# Altium PCB rt10.PcbDoc (part 3 of 3) (continued)
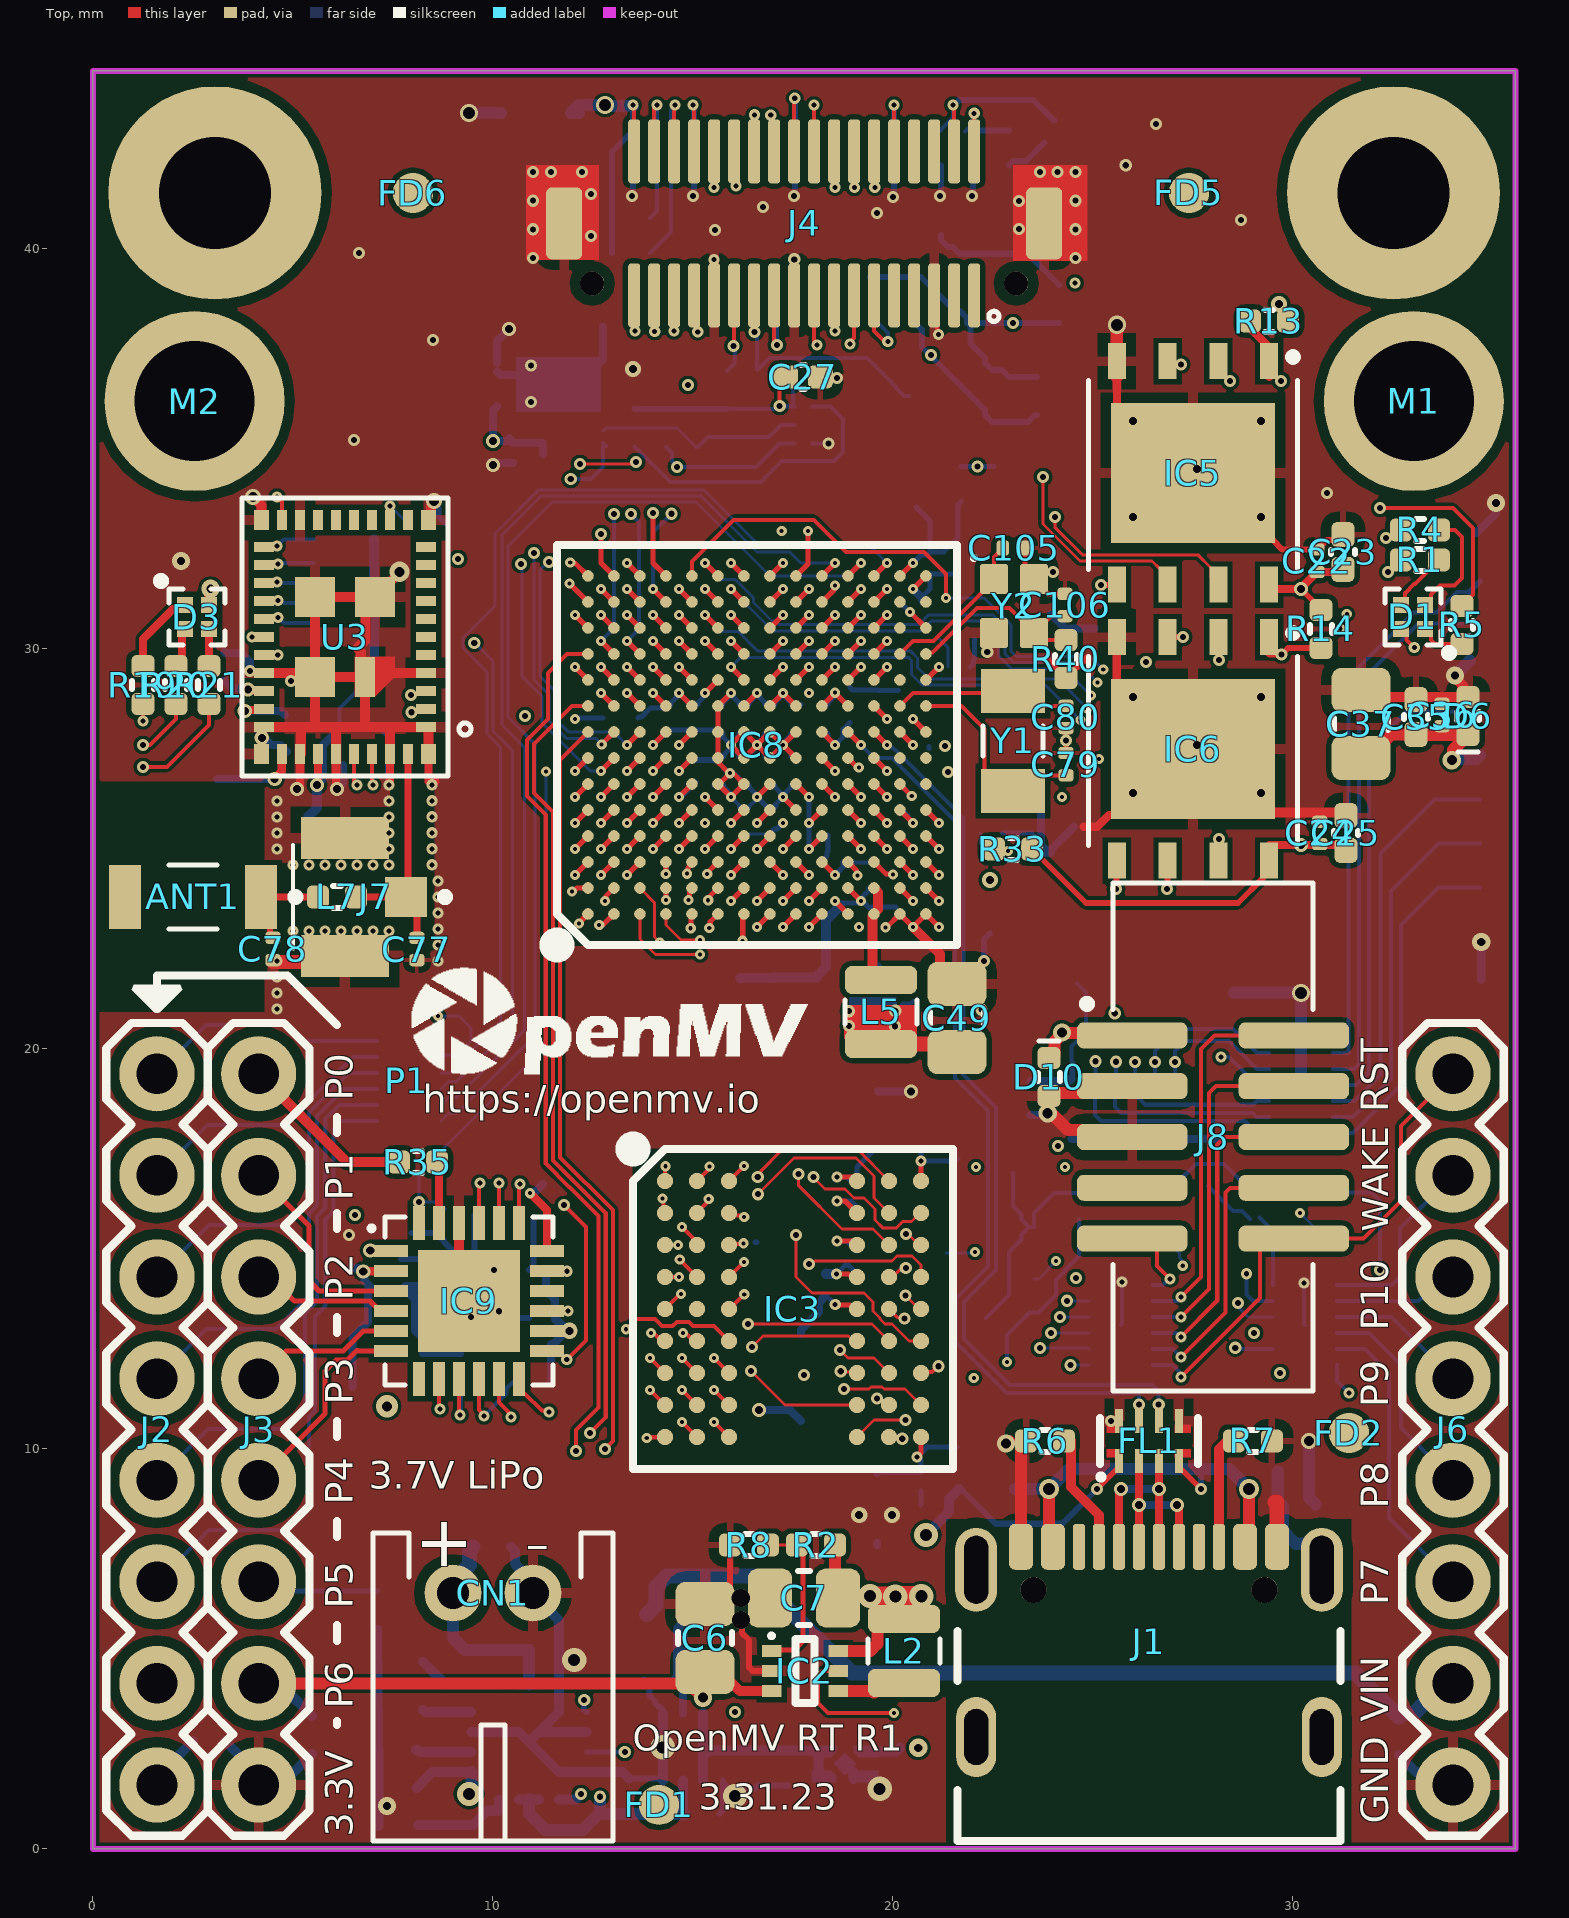
[diagram p0: Top view]
## Nets (pads, with @x,y where several pads share a name; then routed paths per layer and width w, separated by ;. In a path a pad name is that pad's centre, name@x,y a point inside that pad or via, vN(x,y) a via of type N, cw(c..) or ccw(c..) an arc to the next point about the centre after c; other vN are vias at no path point) (continued)
SW: IC2.4 L2.1 | length 1.6
  Top w0.305: IC2.4@18.634,3.95 L2.1@19.45,3.95
  Top w0.381: L2.1@19.525,3.95 19.725,4.15 L2.1@20.275,4.15
TMR: R11.1 U2.14 | length 1.4
  Bottom w0.254: R11.1@8.075,2.475 8.21,2.425 U2.14@9.465,2.425
TS: R9.1 U2.1 | length 2.1
  Bottom w0.254: R9.1@8.25,4.675 8.815,4.11 U2.1@10.15,4.11
USB_D_N: FL1.6 IC8.M8 | length 22.6
  Top w0.127: IC8.M8@19.525,27.925 v1(19.85,27.6)
  Bottom w0.102: v1(19.85,27.6) 19.891,27.6 19.95,27.542 19.983,27.542 20.047,27.478 20.059,27.478 21.756,25.781 21.756,19.358 22.578,18.536 22.578,14.478 21.775,13.675 21.775,12.751 22.923,11.603 26.493,11.603 26.642,11.454 v2(26.642,11.114)
USB_D_P: FL1.7 IC8.L8 | length 22.7
  Top w0.127: IC8.L8@18.875,27.925 v1(19.2,27.6)
  Bottom w0.102: v1(19.2,27.6) 19.525,27.275 19.975,27.275 21.553,25.697 21.553,19.274 22.375,18.452 22.375,14.562 21.572,13.759 21.572,12.667 22.839,11.4 26.091,11.4 26.151,11.341 26.151,11.109 v2(26.15,11.108)
USB_VBUS: FL1.4 J1.A4_B9 J1.B4_A9 L1.1 | length 10.7
  Top w0.152: FL1.4@27.15,9.7 27.15,9.55 v2(27.7,9)
  Top w0.305: v12(23.9,9) 23.9,7.655 J1.A4_B9@24,7.555 ; J1.B4_A9@28.8,7.555 28.9,7.655 v12(28.9,9)
  Bottom w0.152: v2(27.7,9) 27.7,9.5
  Bottom w0.305: L1.1@23.05,9 v12(23.9,9) 24.4,9.5 27.7,9.5 28.4,9.5 v12(28.9,9)
V_BATT: C3.2 C10.2 IC1.3 U2.5 U2.10 U2.11 | length 9.3
  L4 w0.102: v2(12.279,3.725) 12.677,3.327 v2(12.677,1.307)
  Bottom w0.152: v2(12.279,3.725) 12.279,3.479 U2.5@12.335,3.425 U2.5@12.335,3.425
  Bottom w0.254: U2.11@10.65,1.24 10.9,1.24 U2.10@11.15,1.24 ; IC1.3@14.75,1.712 14.75,0.915 C3.2@14.79,0.875
  Bottom w0.305: 10.9,1.24 10.9,0.89 11.315,0.475 12.246,0.475 12.646,0.875 ; v2(12.677,1.307) 12.677,0.906 12.646,0.875 ; C3.2@14.79,0.875 12.646,0.875
VBUS: C9.2 C88.1 C95.2 FL1.1 IC8.N6 L1.2 U2.13 | length 44.8
  Top w0.127: IC8.N6@20.175,26.625 20.175,26.616 v1(20.47,26.321)
  Top w0.152: v2(25.1,9) 25.6,9.5 25.65,9.5 FL1.1@25.65,9.7
  L3 w0.203: v1(20.47,26.321) 21.104,26.321 22.425,25 v7(22.425,24.225)
  L3 w0.305: v5(20.825,7.85) 21.575,8.6 21.575,12.25 22.75,13.425 22.75,19.9 22.775,19.925 22.775,22.725 22.425,23.075 v7(22.425,24.225)
  L6 w0.381: v5(9.4,1.375) 9.4,3.225 14.025,7.85 v5(20.825,7.85)
  Bottom w0.152: L1.2@21.75,8.95 22.569,8.131 24.231,8.131 v2(25.1,9)
  Bottom w0.254: C9.2@8.085,1.525 8.097,1.525 8.258,1.686 8.258,1.698 8.485,1.925 U2.13@9.465,1.925 ; v5@20.824,7.857 21.401,8.434 21.401,8.751 L1.2@21.65,9
  Bottom w0.305: v5(9.4,1.375) 9.465,1.44 U2.13@9.465,1.925
VCC: C7.1 C11.2 C12.1 C13.1 C14.1 C15.1 C16.1 C17.2 C18.2 C19.1 C20.1 C21.2 C22.1 C23.2 C24.1 C25.2 C26.1 C27.2 C28.1 C29.1 C30.1 C31.2 C32.1 C33.2 C35.2 C36.1 C37.1 C39.2 C40.2 C41.2 C42.2 C43.1 C44.2 C50.1 C53.1 C54.1 C55.1 C56.1 C57.2 C58.2 C64.1 C66.2 C67.1 C68.2 C75.1 C76.1 C86.2 C89.1 C90.2 C92.2 C93.2 C96.1 C99.2 C108.2 C109.1 D3.4 D4.1 D6.1 D10.1 IC2.6 IC3.A7 IC3.A9 IC3.B3 IC3.C7 IC3.D3 IC3.E7 IC3.J9 IC4.8 IC5.8 IC6.8 IC7.6 IC8.E6 IC8.E9 IC8.F5 IC8.F10 IC8.J6 IC8.J10 IC8.K4 IC8.K5 IC8.L1 IC8.L2 IC8.P12 IC9.14 J2.1 J4.2 J4.10 J4.20 J4.30 J4.36 J5.P$4 J8.1 L2.2 L4.2 L6.2 L8.2 Q4.1 Q5.1 R2.2 R13.1 R14.1 R15.2 R16.2 R17.2 R18.1 R24.2 R25.2 R26.2 R28.2 R29.2 R30.2 R31.2 R32.2 R33.1 R34.2 R36.2 R39.2 RN1.1 RN1.2 RN1.3 RN1.4 RN1.5 RN1.6 RN1.7 RN1.8 RN2.1 RN2.2 RN2.3 RN2.4 RN2.5 RN2.6 RN2.7 RN2.8 U3.30 U3.36 | length 104.4
  Top w0.102: v3(13.5,43.6) 13.53,43.57 J4.36@13.53,42.44 ; v3(15,43.6) 15.03,43.57 J4.30@15.03,42.44 ; IC3.D3@15.9,14.3 v1(16.275,14.675) ; IC3.B3@15.9,15.9 15.958,15.842 16.196,15.842 16.239,15.799 v1(16.28,15.799) ; v2(17.167,36.076) 17.167,36.652 C27.2@17.315,36.8 ; J4.20@17.53,42.44 17.53,43.753 v3(17.544,43.768) ; v3(20.025,43.6) 20.03,43.595 J4.10@20.03,42.44 ; J4.2@22.03,42.44 v3(22.029,43.392)
  Top w0.127: v1(14.65,26.3) IC8.E6@14.975,26.625 ; v1(14.65,28.9) IC8.E9@14.975,28.575 ; v1(15.3,26.3) IC8.F5@15.625,25.975 ; v1(15.3,28.9) IC8.F10@15.625,29.225 ; IC8.J6@17.575,26.625 v1(17.9,26.3) ; IC8.J10@17.575,29.225 v1(17.9,29.55) ; v1(17.9,25) IC8.K4@18.225,25.325 ; v1(17.9,25.65) IC8.K5@18.225,25.975 ; v1(18.55,23.7) IC8.L1@18.875,23.375 ; v3(18.555,13.611) 18.566,13.6 18.924,13.6 19.023,13.5 IC3.E7@19.1,13.5 ; v3(18.6,15.2) 19,15.2 IC3.C7@19.1,15.1 ; v3(18.6,16.8) 19,16.8 IC3.A7@19.1,16.7 ; IC8.L2@18.875,24.025 v1(19.2,23.7) ; v1(20.421,30.929) IC8.P12@20.825,30.525 ; v3(20.6,9.8) 20.7,9.9 IC3.J9@20.7,10.3 ; IC3.A9@20.7,16.7 v3(20.7,17.2) ; v4(30.2,31.5) 30.7,31 R14.1@30.7,30.975
  Top w0.152: IC2.6@18.584,4.9 IC2.6@18.634,4.95 ; R33.1@23.475,25 24.825,23.65 28.625,23.65 29.256,24.281 29.256,24.557 IC6.8@29.405,24.706
  Top w0.203: v4(3.872,28.988) 3.891,28.969 4.256,28.969 U3.30@4.275,28.95 ; v4(5.6,26.6) 5.625,26.625 U3.36@5.625,27.375 ; IC9.14@11.35,12.95 11.352,12.952 11.911,12.952 v7(11.913,12.954) ; IC6.8@29.405,25.1 v4(30.2,25.1) C25.2@31.125,25.1 ; IC5.8@29.405,31.5 v4@30.175,31.5 ; R13.1@29.875,38.2 R13.1@30.05,38.025 ; v4(30.2,31.5) v4@30.175,31.5 ; C23.2@31.25,31.99 31.185,31.925 C22.1@30.6,31.925 v4@30.175,31.5
  Top w0.254: D3.4@2.9,31.1 2.92,31.12 2.92,31.486 v6(2.94,31.506)
  Top w0.305: R2.2@18.55,7.6 18.55,6.35 C7.1@18.625,6.275 ; IC2.6@18.634,4.95 19.431,4.95 19.609,5.129 19.609,5.552 19.807,5.75 L2.2@20.275,5.75 ; D10.1@23.9,19.7 24.035,19.835 24.035,20.19 24.228,20.383 v8(24.228,20.415) 24.242,20.4 25.92,20.4 J8.1@25.98,20.34 ; C37.1@31.7,27.275 31.864,27.275 32.454,27.865 C35.2@33.075,27.865 33.09,27.85 D6.1@34.36,27.85 ; v8@33.943,27.191 v8(33.973,27.221) 34.002,27.25 34.002,27.477 34.237,27.712 34.237,27.727 D6.1@34.36,27.85 ; D6.1@34.375,27.85 D6.1@34.36,27.85
  Top w0.508: v5(19.425,6.325) 19.437,6.313 v5(20.059,6.313) 20.065,6.32 v5(20.71,6.32)
  Bottom w0.102: C93.2@6.165,28 6.165,28.515 6.682,29.032 6.994,29.032 RN2.8@7.025,29.063 ; R29.2@15.85,36 R28.2@16.625,36 17.036,36 17.112,36.076 v2(17.167,36.076) 17.175,36.068 IC7.6@17.527,36.068 ; C26.1@17.496,36.8 17.496,36.1 IC7.6@17.527,36.068 ; IC7.6@17.535,36.06 IC7.6@17.527,36.068 ; C33.2@21.8,42.935 22.015,43.15 22.015,43.377 v3(22.029,43.392)
  Bottom w0.127: C67.1@13.625,28.275 13.65,28.3 13.715,28.3 13.944,28.529 C86.2@14.325,28.529 14.356,28.529 14.444,28.617 14.444,28.649 14.626,28.83 14.626,28.876 v1(14.65,28.9) ; v1(14.65,26.3) 14.674,26.324 14.729,26.324 14.956,26.551 14.956,26.583 15.044,26.671 C53.1@15.075,26.671 ; C68.2@15,28.529 15.031,28.529 15.119,28.617 15.119,28.649 15.276,28.805 15.276,28.876 v1(15.3,28.9) ; v1(17.9,25) v1(17.9,25.65) v1(17.9,26.3) ; C11.2@18.411,13.754 v3(18.555,13.611) ; v1@18.591,23.648 19.287,23.648 19.401,23.534 C55.1@19.446,23.534 19.467,23.554 C109.1@20.075,23.554 ; v3(18.6,15.2) 18.85,15.2 19.085,14.965 C19.1@19.1,14.95 ; v3(18.6,16.8) 18.85,16.8 19.012,16.638 19.085,16.565 C13.1@19.1,16.55 ; C13.1@19.1,16.579 19.1,17.048 19.577,17.525 C18.2@19.6,17.525 ; v1(19.2,23.7) 19.224,23.724 19.224,23.795 19.406,23.977 19.406,24.008 19.494,24.096 R32.2@19.525,24.096 ; C50.1@20.221,31.175 20.221,31.133 20.421,30.932 v1(20.421,30.929) ; C31.2@20.7,9.45 C31.2@20.7,9.479 20.7,9.7 v3(20.6,9.8) 20.85,10.05 C30.1@21.465,10.05 ; C15.1@20.7,17.55 C15.1@20.7,17.521 v3(20.7,17.2) C17.2@21.525,17.2 ; R18.1@21.5,10.975 21.5,10.085 C30.1@21.465,10.05 ; C17.2@21.55,17.2 C17.2@21.55,17.45 ; C17.2@21.55,17.25 C17.2@21.625,17.25 ; C30.1@21.6,10.05 C30.1@21.465,10.05 ; L6.2@21.7,34.56 v2(22.113,34.56) C108.2@22.525,34.56
  Bottom w0.152: C96.1@10.9,14.475 11.016,14.591 R36.2@11.016,15.794 ; R30.2@12.975,39.9 R31.2@12.975,40.775 12.975,42.435 C44.2@13.5,42.96 13.5,43.571 v3(13.5,43.6) ; R15.2@13.54,36.015 13.555,36 R17.2@14.325,36 R16.2@15.075,36 R29.2@15.85,36 ; v3(15,43.6) 15,43.566 15.025,43.541 C42.2@15.025,42.96 ; v3(17.544,43.768) 17.55,43.762 C40.2@17.55,42.96 ; R24.2@19.425,39.3 20.7,39.3 21.551,38.449 21.676,38.449 21.85,38.275 Q4.1@21.85,38.15 ; C39.2@20.025,42.935 v3(20.025,43.6) ; C33.2@22,42.96 L4.2@22.9,42.96 ; R25.2@23.6,36.8 22.9,36.8 22.725,36.975 Q5.1@22.6,36.975 22.475,36.975 22.301,37.149 22.301,37.274 21.939,37.636 21.939,38.06 Q4.1@21.85,38.15 ; R26.2@24.15,38.15 v2(23,38.15) Q4.1@21.85,38.15
  Bottom w0.203: C92.2@3.275,29.215 3.473,29.017 3.843,29.017 v4(3.872,28.988) ; v4(5.6,26.6) 5.75,26.75 5.75,27.603 C93.2@6.147,28 ; C21.2@10.1,36.065 10,35.965 v4(10,35.2) C20.1@10.441,35.2 ; C20.1@10.411,35.268 10.411,35.23 C20.1@10.441,35.2 ; C20.1@10.5,35.18 C20.1@10.471,35.18 ; IC4.8@11.25,34.875 IC4.8@11.25,35.15 10.5,35.15 C20.1@10.471,35.18 ; C96.1@11.325,14.35 11.325,13.95 11.417,13.858 11.435,13.858 11.554,13.739 11.554,13.237 11.605,13.186 11.643,13.186 11.875,12.954 v7(11.913,12.954) 11.874,12.915 11.802,12.915 11.512,12.625 11.46,12.625 11.45,12.615 R39.2@11.45,11.675 ; C14.1@17.7,12.88 17.7,12.975 18.153,13.429 18.153,13.651 18.236,13.733 18.236,13.77 18.287,13.821 C11.2@18.317,13.821 ; C29.1@19.6,9.4 19.65,9.45 C31.2@20.7,9.45 ; RN1.8@24.463,17.75 RN1.7@25.05,17.75 RN1.6@25.55,17.75 RN1.5@26.05,17.75 RN1.4@26.55,17.75 RN1.3@27.05,17.75 RN1.2@27.55,17.75 RN1.1@28.137,17.75 ; C20.1@10.441,35.2 10.462,35.18 C20.1@10.471,35.18 ; C20.1@10.441,35.2 10.45,35.2 C20.1@10.471,35.18
  Bottom w0.254: J2.1@1.6,1.6 1.6,1.8 D4.1@2.5,2.7 ; C64.1@5.39,25.825 5.402,25.825 5.563,25.986 5.563,25.998 5.6,26.035 v4(5.6,26.6) ; RN2.8@7.025,29.063 RN2.7@7.025,29.65 RN2.6@7.025,30.15 RN2.5@7.025,30.65 RN2.4@7.025,31.15 RN2.3@7.025,31.65 RN2.2@7.025,32.15 RN2.1@7.025,32.737 ; C58.2@16.175,21.775 17,21.775 16.99,21.785 C41.2@17.175,21.785 C57.2@18.1,21.785 18.1,21.823 18.325,22.048 18.325,23.215 18.67,23.561
  Bottom w0.305: C32.1@11.95,43.4 C32.1@12.15,43.6 ; C32.1@12.15,43.4 12,43.4 12.2,43.6 v9@12.784,43.6 ; v9(12.8,43.6) v9@12.784,43.6 ; v3@13.5,43.571 12.814,43.571 v9@12.784,43.6 ; v8(33.973,27.221) 34.002,27.25 34.583,27.25 J5.P$4@34.675,27.342
  other v2: 6.55,15.85 24.125,17.575
  other v7: 29.65,38.625
  other v13: 7.349,11.065
VCC_SOC: C34.1 C38.1 C45.1 C46.2 C47.1 C48.1 C49.2 C87.2 C94.2 C97.2 C98.2 C100.2 C103.2 IC8.F6 IC8.F7 IC8.F8 IC8.F9 IC8.G6 IC8.G9 IC8.H6 IC8.H9 IC8.J5 IC8.J9 L5.1 | length 17.4
  Top w0.127: v1@15.86,26.938 15.656,27.142 15.656,27.244 IC8.F7@15.625,27.275 IC8.F8@15.625,27.925 IC8.F9@15.625,28.575 v1(15.95,28.9) ; IC8.G9@16.275,28.575 v1(16.6,28.9) ; v1(16.6,26.3) IC8.H6@16.925,26.625 ; IC8.H9@16.925,28.575 v1(17.25,28.9) IC8.J9@17.575,28.575 ; v1(17.25,26.3) IC8.J5@17.575,25.975 ; IC8.F6@15.625,26.625 15.95,26.3 IC8.G6@16.275,26.625 16.028,26.871 15.949,26.871 v1(15.925,26.895) 15.654,26.625 IC8.F6@15.625,26.625
  Top w0.254: C49.2@21.4,20.125 C49.2@21.6,19.925
  Top w0.381: L5.1@19.7,20.125 C49.2@21.4,20.125
  Bottom w0.076: C48.1@16.275,25.929 16.292,25.929 16.399,26.036 16.427,26.064 16.427,26.082 ; v1@16.6,26.255 v1(16.6,26.3)
  Bottom w0.102: v1(15.95,26.3) 16.151,26.099 16.151,26.029 16.251,25.929 C48.1@16.275,25.929 ; C48.1@16.292,25.929 16.299,25.929 16.399,26.029 16.399,26.036 16.399,26.053 16.427,26.082 16.571,26.225 16.571,26.271 v1(16.6,26.3) ; v2(20.057,20.954) 20.246,21.142 20.447,21.142 C47.1@20.5,21.196
  Bottom w0.127: C97.2@15.531,26.583 15.619,26.671 C97.2@15.65,26.671 C97.2@15.681,26.671 ; C98.2@15.625,28.529 15.656,28.529 15.744,28.617 15.744,28.649 15.925,28.83 15.925,28.876 v1(15.95,28.9) 15.974,28.876 15.974,28.83 16.156,28.649 16.156,28.617 16.244,28.529 C103.2@16.275,28.529 16.306,28.529 16.394,28.617 16.394,28.649 16.576,28.83 16.576,28.876 v1(16.6,28.9) 16.624,28.876 16.624,28.83 16.806,28.649 16.806,28.617 16.894,28.529 C38.1@16.925,28.529 16.956,28.529 17.044,28.617 17.044,28.649 17.226,28.83 17.226,28.876 v1(17.25,28.9) 17.274,28.876 17.274,28.83 17.456,28.649 17.456,28.617 17.544,28.529 C45.1@17.575,28.529 17.606,28.529 C45.1@17.694,28.617 ; v1(15.95,26.3) 15.926,26.324 15.926,26.395 15.769,26.551 15.769,26.583 C97.2@15.681,26.671 ; C87.2@16.925,26.671 16.956,26.671 17.044,26.583 17.044,26.551 17.226,26.37 17.226,26.324 v1(17.25,26.3) ; C100.2@17.575,26.671 17.544,26.671 17.456,26.583 17.456,26.551 17.274,26.37 17.274,26.324 v1(17.25,26.3) ; C97.2@15.681,26.671 15.695,26.671 15.784,26.759 15.787,26.759 15.923,26.895 v1(15.925,26.895) 15.949,26.871 16.052,26.871 16.148,26.775 16.148,26.766 16.244,26.671 C94.2@16.275,26.671 16.306,26.671 16.394,26.583 16.394,26.551 16.576,26.37 16.576,26.324 v1(16.6,26.3) 16.823,26.077 16.823,26.075 16.919,25.979 C34.1@16.95,25.979 16.981,25.979 17.069,26.067 17.069,26.119 v1(17.25,26.3)
  other v2: 18.897,20.572 20.051,20.569 18.899,20.945
VDD_HIGH_CAP: C101.2 C102.1 IC8.P8 | length 0.5
  Top w0.127: v1(20.5,28.25) IC8.P8@20.825,27.925
VDD_SNVS: C2.2 C69.1 IC8.M9 U1.1 | length 28.9
  Top w0.127: IC8.M9@19.525,28.575 v1(19.85,28.25)
  L4 w0.076: v1(19.85,28.25) 19.525,27.925 19.525,25.625 19.141,25.241 19.1,25.241 18.87,25.012 18.87,21.605 19.275,21.2 19.275,19.075 21.4,16.95 21.4,12.179 21.401,12.178 21.401,8.587 21.257,8.443 21.257,3.154 v6(20.631,2.528)
  Bottom w0.254: U1.1@19.321,2.437 20.077,2.437 C2.2@20.175,2.535
VDD_SNVS_CAP: C70.1 IC8.M10 | length 0.5
  Top w0.127: IC8.M10@19.525,29.225 v1(19.85,29.55)
VDD_USB_CAP: C71.1 C72.2 C73.2 IC8.K8 | length 5.4
  Top w0.127: IC8.K8@18.225,27.925 v1(18.55,27.6)
  L3 w0.127: v1(18.55,27.6) 18.9,27.95 20,27.95 20.175,27.775 20.175,27.3 20.55,26.925 v2(21.375,26.925)
  Bottom w0.127: C71.1@18.25,27.971 18.281,27.971 18.369,27.883 18.369,27.781 v1(18.55,27.6) 18.754,27.804 18.754,27.994 C72.2@18.925,28.165
VDDA: C51.1 C52.2 J4.4 L4.1 | length 5.9
  Top w0.102: v3(21.5,43.6) 21.53,43.57 J4.4@21.53,42.44
  Bottom w0.102: C52.2@21.2,42.96 21.2,42.984 21.5,43.284 v3(21.5,43.6)
  Bottom w0.152: v3(21.5,43.6) 21.528,43.6 21.653,43.725 23.511,43.725 24.022,43.214 C51.1@24.035,43.214 ; L4.1@22.9,42.09 23.009,42.199 23.326,42.199 C51.1@23.787,42.66
VDDA_ADC_3P3: C59.1 C60.2 C61.2 IC8.N14 L6.1 | length 4
  Top w0.127: IC8.N14@20.175,31.825 v1(20.5,32.15)
  Bottom w0.127: v1(20.5,32.15) 20.698,32.348 20.844,32.348 C59.1@20.925,32.429 ; C61.2@20.575,33.55 20.925,33.2 C59.1@20.925,32.429 ; L6.1@21.7,33.69 21.625,33.615 C60.2@21.625,32.785 21.269,32.429 C59.1@20.925,32.429
VIN: C5.2 IC1.6 Q6.S | length 2.2
  Bottom w0.203: C5.2@14.61,4.2 14.75,4.06 IC1.6@14.75,3.388
  Bottom w0.381: C5.2@14.61,4.2 14.691,4.281 Q6.S@14.691,5.487
VIN_LDO: C74.1 C91.2 L9.2 U3.31 | length 1.6
  Top w0.203: v4(3.796,28.451) 3.822,28.476 4.251,28.476 U3.31@4.275,28.5
  Bottom w0.203: v4(3.796,28.451) 3.811,28.465 4.089,28.465 C74.1@4.112,28.488 ; C74.1@4.112,28.45 4.7,28.45 C91.2@4.8,28.35
WAKEUP: IC8.L6 Q2.2 | length 36
  Top w0.127: IC8.L6@18.875,26.625 v1(19.2,26.3)
  L4 w0.076: v1(30.175,15.9) 30.95,16.675 30.95,30.25 31.184,30.483 v1(31.184,30.506)
  L6 w0.076: v1(19.2,26.3) 19.441,26.059 28.543,26.059 28.623,26.138 28.623,29.037 28.512,29.148 27.962,29.148 26.983,30.126 26.983,30.466 27.142,30.625 31.05,30.625 31.17,30.506 v1(31.184,30.506)
  Bottom w0.076: v1(30.175,15.9) 30.763,15.312 30.913,15.312 Q2.2@31.125,15.1
WIFI_CLK: IC8.M13 U3.20 | length 18
  Top w0.102: v3(4.6,33.8) 4.725,33.675 U3.20@4.725,33.225
  Top w0.127: IC8.M13@19.525,31.175 v1(19.85,31.5)
  L6 w0.076: v3(4.6,33.8) 4.857,34.057 7.657,34.057 8.39,33.325 11.749,33.325 12.475,32.599 17.525,32.599 18.225,31.9 18.225,31.425 18.329,31.321 18.912,31.321 19.007,31.225 19.575,31.225 v1(19.85,31.5)
WIFI_CMD: IC8.H13 RN2.16 U3.22 | length 15.3
  Top w0.102: U3.22@4.275,32.55 4.287,32.562 4.587,32.562 v3(4.6,32.575)
  Top w0.127: IC8.H13@16.925,31.175 v1(17.25,31.5)
  L6 w0.076: v3(4.6,32.575) 4.825,32.8 6.025,32.8 7.516,31.309 12.549,31.309 12.6,31.258 16.069,31.258 16.311,31.5 v1(17.25,31.5)
  Bottom w0.102: v3(4.6,32.575) 4.762,32.737 RN2.16@5.525,32.737
WIFI_D0: IC8.L12 RN2.14 U3.24 | length 17.3
  Top w0.102: U3.24@4.275,31.65 4.288,31.662 4.587,31.662 v3(4.6,31.675)
  Top w0.127: IC8.L12@18.875,30.525 v1(19.2,30.85)
  L6 w0.076: v3(4.6,31.675) 4.621,31.675 4.746,31.8 5.925,31.8 7.125,30.6 18.025,30.6 18.225,30.8 18.225,30.975 18.35,31.1 18.725,31.1 18.975,30.85 v1(19.2,30.85)
  Bottom w0.102: v3(4.6,31.675) 4.625,31.65 RN2.14@5.525,31.65
WIFI_D1: IC8.K12 RN2.12 U3.26 | length 16.1
  Top w0.102: U3.26@4.275,30.75 4.292,30.767 4.608,30.767 v3(4.625,30.784)
  Top w0.127: IC8.K12@18.225,30.525 v1(18.55,30.85)
  L6 w0.076: v3(4.625,30.784) 4.647,30.806 6.698,30.806 7.056,30.448 18.148,30.448 v1(18.55,30.85)
  Bottom w0.102: v3@4.591,30.75 v3(4.625,30.784) 4.64,30.784 4.773,30.65 RN2.12@5.525,30.65
WIFI_D2: IC8.J12 RN2.15 U3.23 | length 15.7
  Top w0.102: U3.23@4.275,32.1 4.288,32.113 4.613,32.113 v3(4.625,32.125)
  Top w0.127: IC8.J12@17.575,30.525 v1(17.9,30.85)
  L6 w0.076: v3(4.625,32.125) 4.8,32.3 5.7,32.3 6.894,31.106 17.644,31.106 v1(17.9,30.85)
  Bottom w0.102: v3@4.6,32.15 v3(4.625,32.125) 4.65,32.15 RN2.15@5.525,32.15
WIFI_D3: IC8.K10 RN2.13 U3.25 | length 16.6
  Top w0.127: IC8.K10@18.225,29.225 v1(18.55,29.55)
  L6 w0.076: 4.555,31.073 4.371,30.889 4.371,30.678 4.52,30.53 6.759,30.53 7.495,29.793 18.307,29.793 v1(18.55,29.55)
  Bottom w0.102: v3@4.589,31.177 v3(4.623,31.211) 4.657,31.177 4.744,31.177 4.771,31.15 RN2.13@5.525,31.15
WL_H_WAKE: IC8.E11 U3.27 | length 18.1
  Top w0.102: v3(3.978,30.299) U3.27@4.275,30.3
  Top w0.127: v1(14.65,30.2) IC8.E11@14.975,29.875
  L4 w0.076: v2(10.803,28.325) 10.35,28.325 10.165,28.14 10.165,26.745 10.21,26.7 11.485,26.7 11.565,26.78 11.565,27.755 11.812,28.003 13.603,28.003 14.249,28.649 14.249,29.799 v1(14.65,30.2)
  L6 w0.076: v3(3.978,30.299) 3.978,30.079 4.532,29.525 6.723,29.525 7.125,29.123 10.375,29.123 10.803,28.694 v2(10.803,28.325)
WL_REG_ON: IC8.E10 U3.28 | length 11.2
  Top w0.102: U3.28@4.275,29.85 4.277,29.848 4.616,29.848 v3(4.618,29.846)
  Top w0.127: v1(14.65,29.55) IC8.E10@14.975,29.225
  L6 w0.076: v3(4.618,29.846) 6.754,29.846 7.299,29.301 14.401,29.301 v1(14.65,29.55)
XTALI: C106.1 IC8.P11 R40.1 Y2.3 | length 5
  Top w0.102: IC8.P11@20.825,29.875 20.861,29.911 20.986,29.911 22.1,31.025 22.915,31.025 23.215,30.724 23.525,30.415 Y2.3@23.525,30.4 23.7,30.225 R40.1@24.325,30.225 ; Y2.3@23.732,30.593 23.732,30.621 23.823,30.712 23.85,30.712 23.959,30.821 C106.1@24.3,30.821
XTALO: C105.1 IC8.N11 Y2.1 | length 3.8
  Top w0.102: IC8.N11@20.175,29.875 20.5,30.2 21.011,30.2 22.226,31.415 Y2.1@22.41,31.6 ; Y2.1@22.525,31.75 22.525,32.304 22.622,32.401 22.646,32.401 22.746,32.501 C105.1@22.746,32.525
pads on no net: ANT1.2 FD1.1 FD2.1 FD3.1 FD4.1 FD5.1 FD6.1 FD7.1 FD8.1 IC3.E2 IC4.1 IC4.2 IC4.3 IC4.7 IC7.2 IC8.N7 IC8.N10 IC8.N12 IC8.N13 IC8.P6 IC8.P7 IC8.P13 IC9.7 IC9.16 J1.0 J1.A8 J1.B8 J4.1 J4.3 J4.6 J4.7 J4.8 J4.9 J4.MH1 J4.MH2 J8.7 M1.1 M2.1 RN1.15 RN1.16 RN2.9 RN2.10 RN2.11 U3.5 U3.6 U3.7 U3.8 U3.9 U3.10 U3.11 U3.13 U3.15 U3.16 U3.17 U3.18

## Polygon pours and split planes (outlines as drawn)
no net on Bottom Overlay "Polygon_2_NoNet" (solid, pour order 1): 1.6,20.856 2.345,21.602 0.855,21.602
GND on L2 "Polygon_1_Net_GND" (solid, remove dead copper, pour order 5): -0.127,-0.127 -0.127,20.927 4.273,20.927 4.273,26.673 -0.127,26.673 -0.127,44.577 35.687,44.577 35.687,-0.127
no net on Top Overlay "Polygon_1_NoNet" (solid, pour order 0): 1.6,20.856 0.855,21.602 2.345,21.602
GND on Top "Polygon_2_Net_GND" (solid, remove dead copper, pour order 4): -0.027,-0.027 -0.027,20.927 4.273,20.927 4.273,26.673 -0.027,26.673 -0.027,44.477 35.587,44.477 35.587,-0.027
VCC on L3 "VCC_L03_P007" (solid, remove dead copper, pour order 7): 0,0 0,44.45 35.55,44.45 35.55,0 34.85,0
VCC_SOC on L3 "VCC_SOC_L03_P006" (solid, remove dead copper, pour order 6): 20.225,21.225 18.075,21.225 17.7,21.6 17.7,29.225 15.54,29.225 15.54,20.25 20.225,20.25
VCC on L7 "Polygon_1_Net_VCC" (solid, remove dead copper, pour order 2): 0.282,0.273 0.282,20.927 4.273,20.927 4.273,26.673 0.347,26.673 0.254,26.766 0.254,44.196 35.306,44.196 35.306,0.273
GND on L5 "GND_L05_P008" (solid, remove dead copper, pour order 8): 0,0 0,44.45 35.55,44.45 35.55,0
GND on Bottom "Polygon_3_Net_GND" (solid, remove dead copper, pour order 3): 0.073,0.073 0.073,20.927 4.273,20.927 4.273,26.673 0.073,26.673 0.073,44.377 35.487,44.377 35.487,0.073

## Keep-outs
Keep-Out Layer:
  lines w0: 0,44.45 0,0 35.56,0 35.56,44.45
  lines w0.152: 0,0 35.56,0 35.56,44.45 0,44.45 0,0

## Other copper
Top:
  region net GND: 24.86,42.1 23,42.1 23,39.704 24.86,39.704
  rectangle net GND: 10.825,39.729 12.65,42.1
  rectangle net VCC_SOC: 18.775,20.249 20.606,21.1
  pour cut-out: 21.325,8.25 31.475,8.25 31.475,0 21.325,0
  pour cut-out: 11.575,32.6 11.575,22.575 21.625,22.575 21.625,32.6 11.825,32.6
  pour cut-out: 13.5,17.5 21.525,17.5 21.525,9.525 13.5,9.525
  pour cut-out: 0,26.675 0,20.922 4.288,20.922 4.288,26.699
  pour cut-out: 3.9,24.65 7.425,24.65 7.425,27.375 8.55,27.375 8.55,22.461 3.9,22.461 3.9,22.6
L2:
  pour cut-out: 0,26.675 0,20.922 4.288,20.922 4.288,26.699
  pour cut-out: 3.8,24.625 4.625,24.625 4.625,22.6 3.8,22.6
  pour cut-out: 5.35,24.1 5.9,24.1 5.9,23.5 5.35,23.5
  pour cut-out: 6.3,23.5 6.85,23.5 6.85,24.1 6.3,24.1
  pour cut-out: 7.925,22.925 7.925,22.625 8.3,22.625 8.3,22.925
  pour cut-out: 7.3,24.3 7.3,23.3 8.35,23.3 8.35,24.3
L3:
  pour cut-out: 0,26.675 0,20.922 4.288,20.922 4.288,26.699
L4:
  pour cut-out: 0,26.675 0,20.922 4.288,20.922 4.288,26.699
L5:
  pour cut-out: 0,26.675 0,20.922 4.288,20.922 4.288,26.699
L6:
  pour cut-out: 0,26.675 0,20.922 4.288,20.922 4.288,26.699
L7:
  pour cut-out: 0,26.675 0,20.922 4.288,20.922 4.288,26.699
Bottom:
  rectangle net VCC_SOC: 18.9,20.3 20.1,21.3
  rectangle net GND: 10.575,35.925 12.7,37.3
  pour cut-out: 0,26.675 0,20.922 4.288,20.922 4.288,26.699

## Silkscreen, mask and mechanical layers (free items; w line width, h text height)
Top Overlay:
  lines w0.203: 1.6,21 1.6,21.837 4.863,21.837 6.1,20.6 ; 6.1,3.1 6.1,3.2 ; 6.1,5.2 6.1,5.6 ; 6.1,7.8 6.1,8.2 ; 6.1,10.3 6.1,10.7 ; 6.1,12.9 6.1,13.3 ; 6.1,15.5 6.1,15.9 ; 6.1,17.9 6.1,18.3
  text "P0" at 6.5,18.7 h0.69 r90
  text "RST" at 32.385,18.415 h0.69 r90
  text "https://openmv.io" at 8.25,18.4 h0.69
  text "P1" at 6.5,16.2 h0.69 r90
  text "WAKE" at 32.385,15.43 h0.65 r90
  text "P2" at 6.5,13.7 h0.69 r90
  text "P10" at 32.385,12.954 h0.69 r90
  text "P3" at 6.5,11.1 h0.69 r90
  text "P9" at 32.385,11.049 h0.69 r90
  text "3.7V LiPo" at 6.9,9 h0.69
  text "P4" at 6.5,8.6 h0.69 r90
  text "P8" at 32.385,8.509 h0.69 r90
  text "P7" at 32.385,6.096 h0.69 r90
  text "P5" at 6.5,6 h0.69 r90
  text "P6" at 6.5,3.5 h0.69 r90
  text "VIN" at 32.385,3.175 h0.69 r90
  text "OpenMV RT R1" at 13.5,2.45 h0.66
  text "3.31.23" at 15.15,0.975 h0.66
  text "GND" at 32.385,0.635 h0.69 r90
  text "3.3V" at 6.5,0.3 h0.69 r90
Bottom Overlay:
  rectangle: 24.775,22.2 33.875,32.75
  lines w0.203: 1.6,21 1.6,22 4.7,22 6.1,20.6 ; 5.1,20.3 5.5,20.7 ; 5.825,5.2 5.825,5.6 ; 5.825,7.8 5.825,8.2 ; 5.825,10.3 5.825,10.7 ; 5.825,12.9 5.825,13.3 ; 5.825,15.5 5.825,15.9 ; 5.825,17.9 5.825,18.3 ; 6,21.2 6.2,21.4 8.9,21.4 8.9,26.5 12.4,26.5 12.4,16.9 ; 6.3,3.1 6.3,3.2
  text "ELED" at 12.1,25.434 h0.69
  text "ERXN" at 12.1,24.215 h0.69
  text "ERXP" at 12.1,22.996 h0.69
  text "ETXN" at 12.1,21.777 h0.69
  text "ETXP" at 12.1,20.557 h0.69
  text "PBTN" at 12.1,19.338 h0.69
  text "P0" at 5.425,18.7 h0.69 r270
  text "RST" at 31.798,18.415 h0.69 r270
  text "RAW" at 12.1,18.119 h0.69
  text "GND" at 12.1,16.9 h0.69
  text "P1" at 5.425,16.2 h0.69 r270
  text "WAKE" at 31.798,15.43 h0.65 r270
  text "P2" at 5.425,13.7 h0.69 r270
  text "P10" at 31.798,12.954 h0.69 r270
  text "P3" at 5.425,11.1 h0.69 r270
  text "P9" at 31.798,11.049 h0.69 r270
  text "P4" at 5.425,8.6 h0.69 r270
  text "P8" at 31.798,8.509 h0.69 r270
  text "P7" at 31.798,6.096 h0.69 r270
  text "P5" at 5.425,6 h0.69 r270
  text "I/Os 3.3V" at 29.2,4.9 h0.69
  text "VIN" at 32.85,4.325 h0.69
  text "Tolerant" at 28.7,3.75 h0.69
  text "P6" at 6.025,3.625 h0.69 r270
  text "VIN 5V Max" at 29.575,1.825 h0.69
  text "GND" at 32.9,0.575 h0.69
  text "3.3V" at 5.925,0.3 h0.69 r270
Dimension:
  lines w0.381: 36.698,2.039 44.504,2.039 62.039,2.039 74.336,2.039 ; 36.698,4.285 44.504,4.285 62.039,4.285 74.336,4.285 ; 36.698,6.531 44.504,6.531 62.039,6.531 74.336,6.531 ; 36.698,8.777 44.504,8.777 62.039,8.777 74.336,8.777 ; 36.698,11.023 44.504,11.023 62.039,11.023 74.336,11.023 ; 36.698,13.269 44.504,13.269 62.039,13.269 74.336,13.269 ; 36.698,15.515 44.504,15.515 62.039,15.515 74.336,15.515 ; 36.698,17.761 44.504,17.761 62.039,17.761 74.336,17.761 ; 36.698,20.007 44.504,20.007 62.039,20.007 74.336,20.007 ; 36.698,22.253 44.504,22.253 62.039,22.253 74.336,22.253 ; 36.698,24.499 44.504,24.499 62.039,24.499 74.336,24.499 ; 36.698,26.746 44.504,26.746 62.039,26.746 74.336,26.746 ; 36.698,28.992 44.504,28.992 62.039,28.992 74.336,28.992 ; 36.698,31.238 44.504,31.238 62.039,31.238 74.336,31.238 ; 36.698,33.484 44.504,33.484 62.039,33.484 74.336,33.484 ; 36.698,35.73 44.504,35.73 62.039,35.73 74.336,35.73 ; 36.698,37.976 44.504,37.976 62.039,37.976 74.336,37.976 ; 36.698,40.222 44.504,40.222 62.039,40.222 74.336,40.222 ; 36.698,42.468 74.336,42.468 ; 44.504,44.714 44.504,-0.207 ; 62.039,44.714 62.039,-0.207 ; 44.504,-0.207 36.698,-0.207 36.698,44.714 74.336,44.714 74.336,-0.207 62.039,-0.207 ; 44.504,-0.207 62.039,-0.207
  text "Layer" at 38.075,43.029 h1.12
  text "Name" at 45.881,43.029 h1.12
  text "Thickness" at 63.416,43.029 h1.12
  text "Top Overlay" at 45.881,40.783 h1.12
  text "Top Solder" at 45.881,38.537 h1.12
  text "0.010mm" at 63.416,38.537 h1.12
  text "1" at 38.075,36.291 h1.12
  text "Top" at 45.881,36.291 h1.12
  text "0.035mm" at 63.416,36.291 h1.12
  text "Dielectric 1" at 45.881,34.045 h1.12
  text "0.100mm" at 63.416,34.045 h1.12
  text "2" at 38.075,31.799 h1.12
  text "L2" at 45.881,31.799 h1.12
  text "0.035mm" at 63.416,31.799 h1.12
  text "Dielectric 4" at 45.881,29.553 h1.12
  text "0.150mm" at 63.416,29.553 h1.12
  text "3" at 38.075,27.307 h1.12
  text "L3" at 45.881,27.307 h1.12
  text "0.035mm" at 63.416,27.307 h1.12
  text "Dielectric2" at 45.881,25.061 h1.12
  text "0.130mm" at 63.416,25.061 h1.12
  text "4" at 38.075,22.815 h1.12
  text "L4" at 45.881,22.815 h1.12
  text "0.035mm" at 63.416,22.815 h1.12
  text "Dielectric 5" at 45.881,20.569 h1.12
  text "0.150mm" at 63.416,20.569 h1.12
  text "5" at 38.075,18.323 h1.12
  text "L5" at 45.881,18.323 h1.12
  text "0.035mm" at 63.416,18.323 h1.12
  text "Dielectric 6" at 45.881,16.077 h1.12
  text "0.130mm" at 63.416,16.077 h1.12
  text "6" at 38.075,13.831 h1.12
  text "L6" at 45.881,13.831 h1.12
  text "0.035mm" at 63.416,13.831 h1.12
  text "Dielectric3" at 45.881,11.585 h1.12
  text "0.150mm" at 63.416,11.585 h1.12
  text "7" at 38.075,9.339 h1.12
  text "L7" at 45.881,9.339 h1.12
  text "0.035mm" at 63.416,9.339 h1.12
  text "Dielectric 7" at 45.881,7.093 h1.12
  text "0.100mm" at 63.416,7.093 h1.12
  text "8" at 38.075,4.847 h1.12
  text "Bottom" at 45.881,4.847 h1.12
  text "0.035mm" at 63.416,4.847 h1.12
  text "Bottom Solder" at 45.881,2.601 h1.12
  text "0.010mm" at 63.416,2.601 h1.12
  text "Bottom Overlay" at 45.881,0.355 h1.12

## Text inside footprints (layer, text, board x,y; h text height)
CN1: Top Overlay "+" at 9.514,8.596 h2.2 r180; Top Overlay "-" at 11.429,8.396 h2.2 r180
J1: Top Mechanical 13/Mechanical 14 "PCB EDGE" at 31.8,0.3 h0.41